# Altium PCB Smartfin Main PCBA.PcbDoc (part 1 of 2)
Units mm, origin at the board's own origin, x right, y up, seen from the top; angles counter-clockwise.
Board outline 85.75 x 70.5 mm, 4 copper layers (Top Layer, GND, Power, Bottom Layer), stack 0.678 mm thick; 125 components, 79 nets, 493 pads, 437 vias.
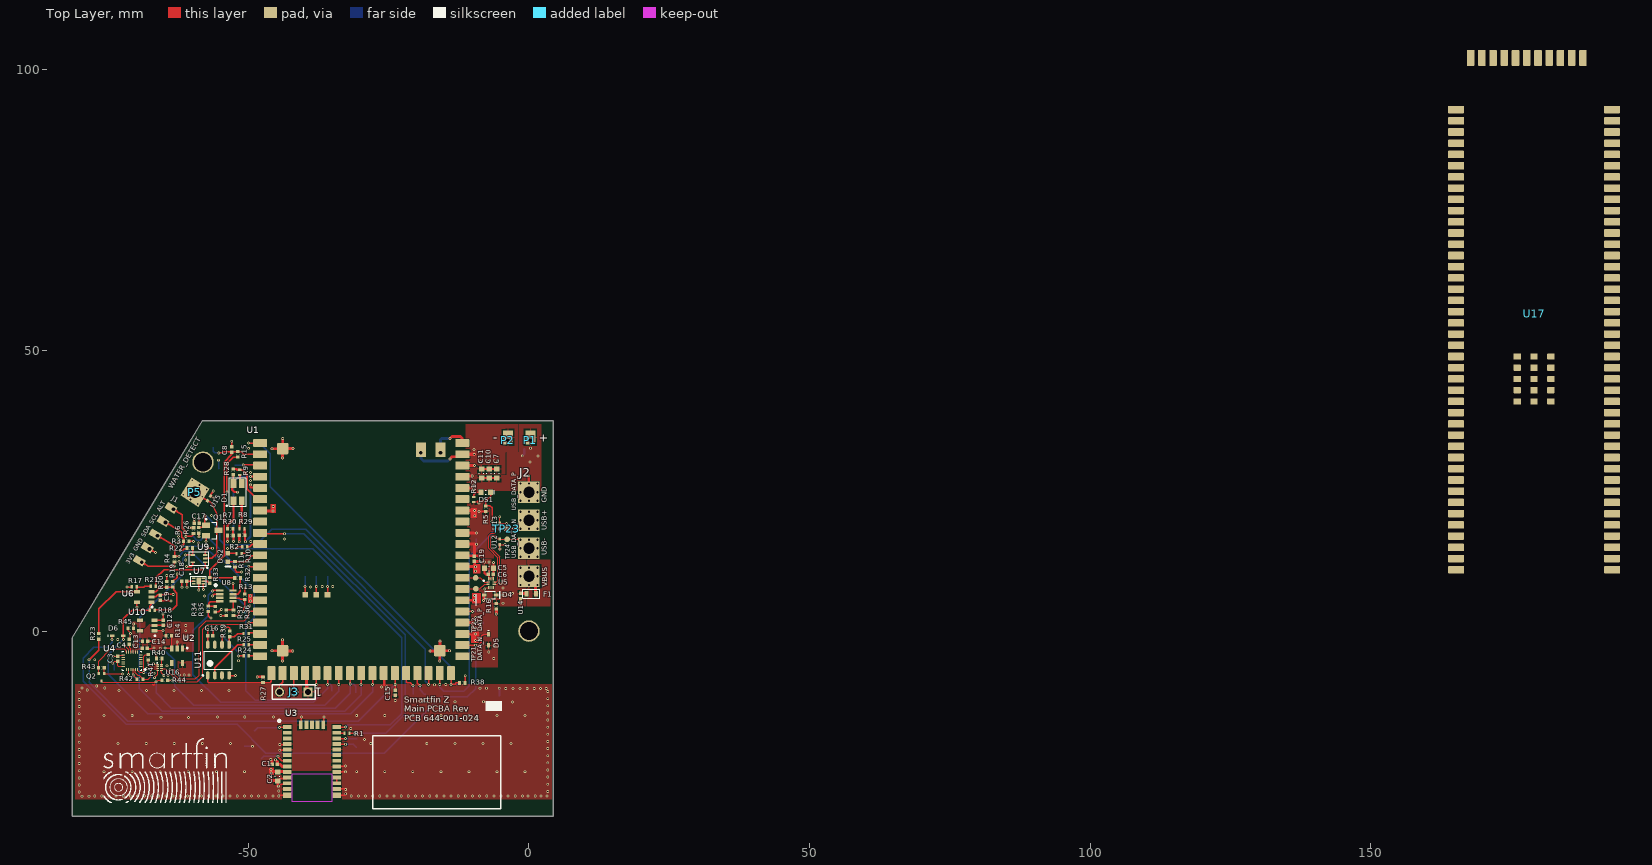
[diagram p0: Top Layer view]
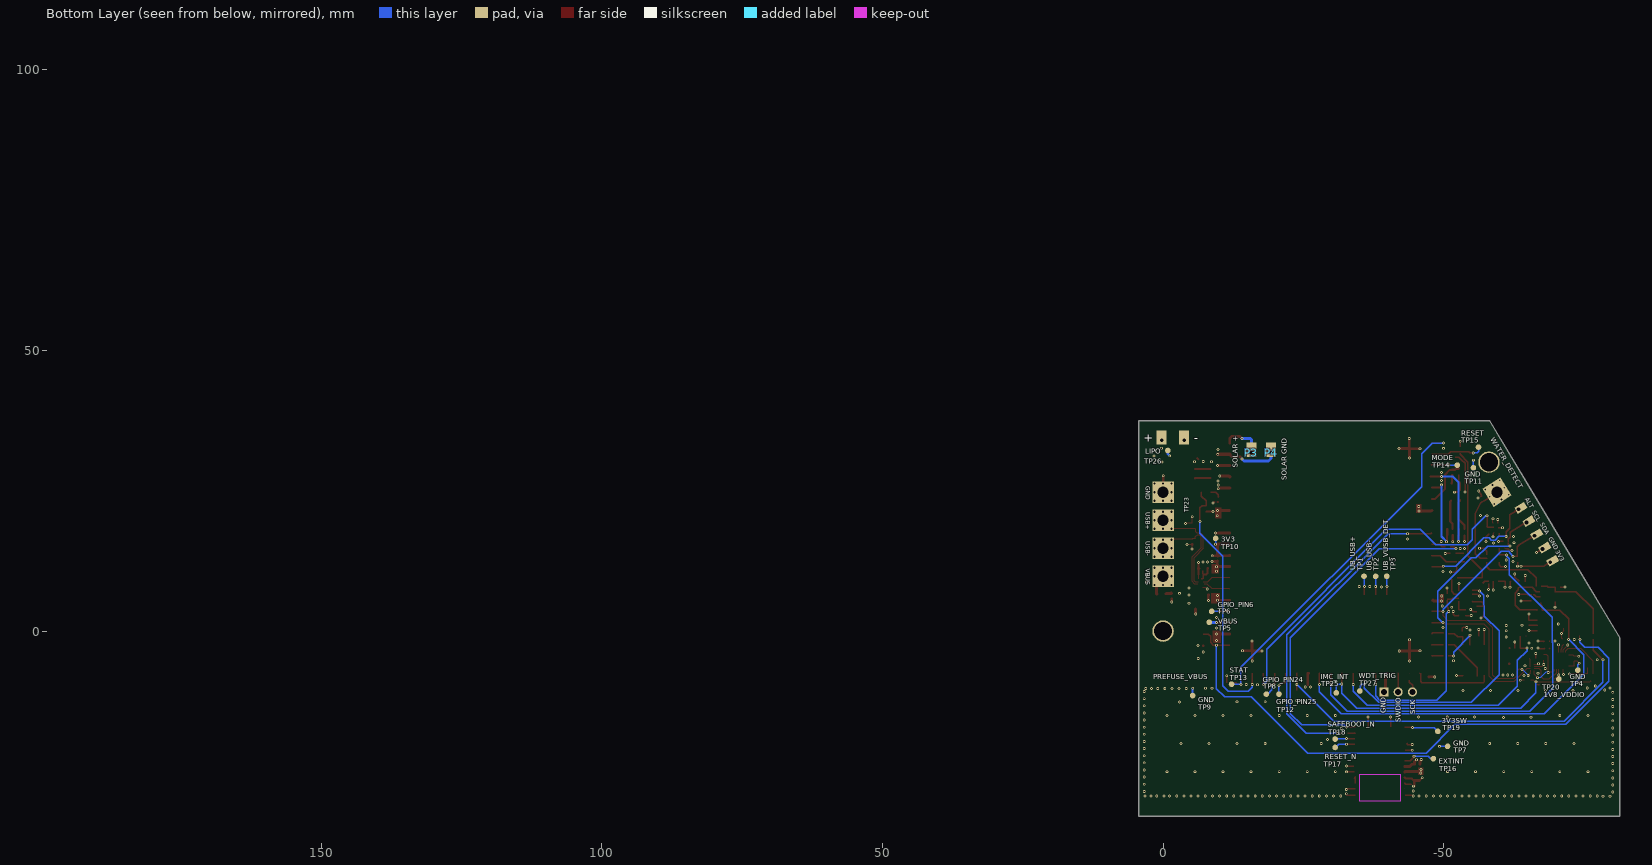
[diagram p1: Bottom Layer view, seen from below]
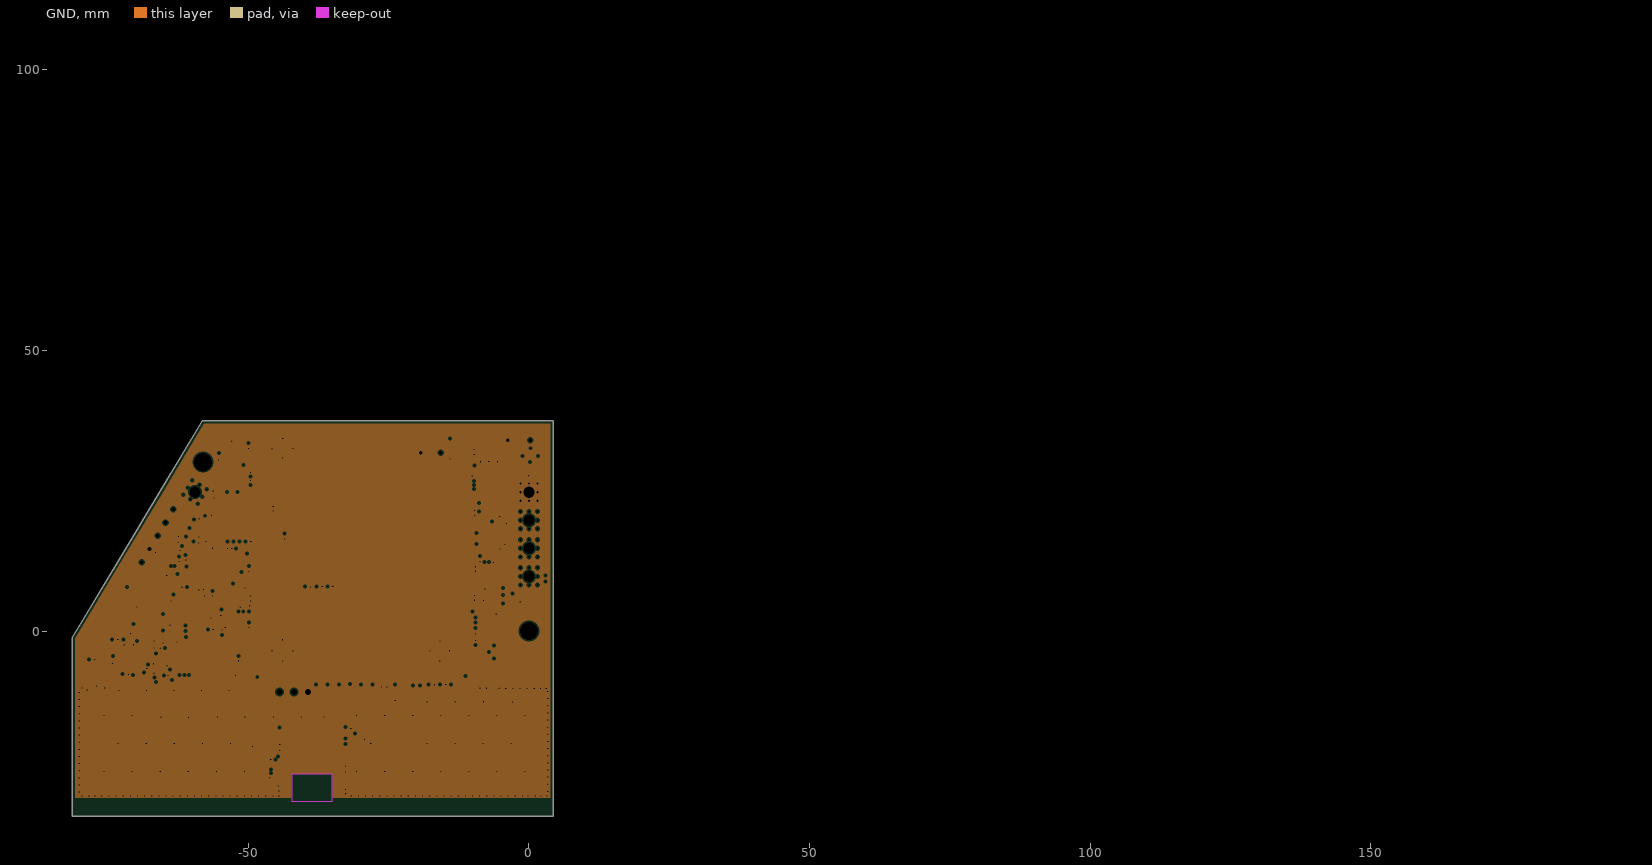
[diagram p2: GND, clearances drawn from the general rule]
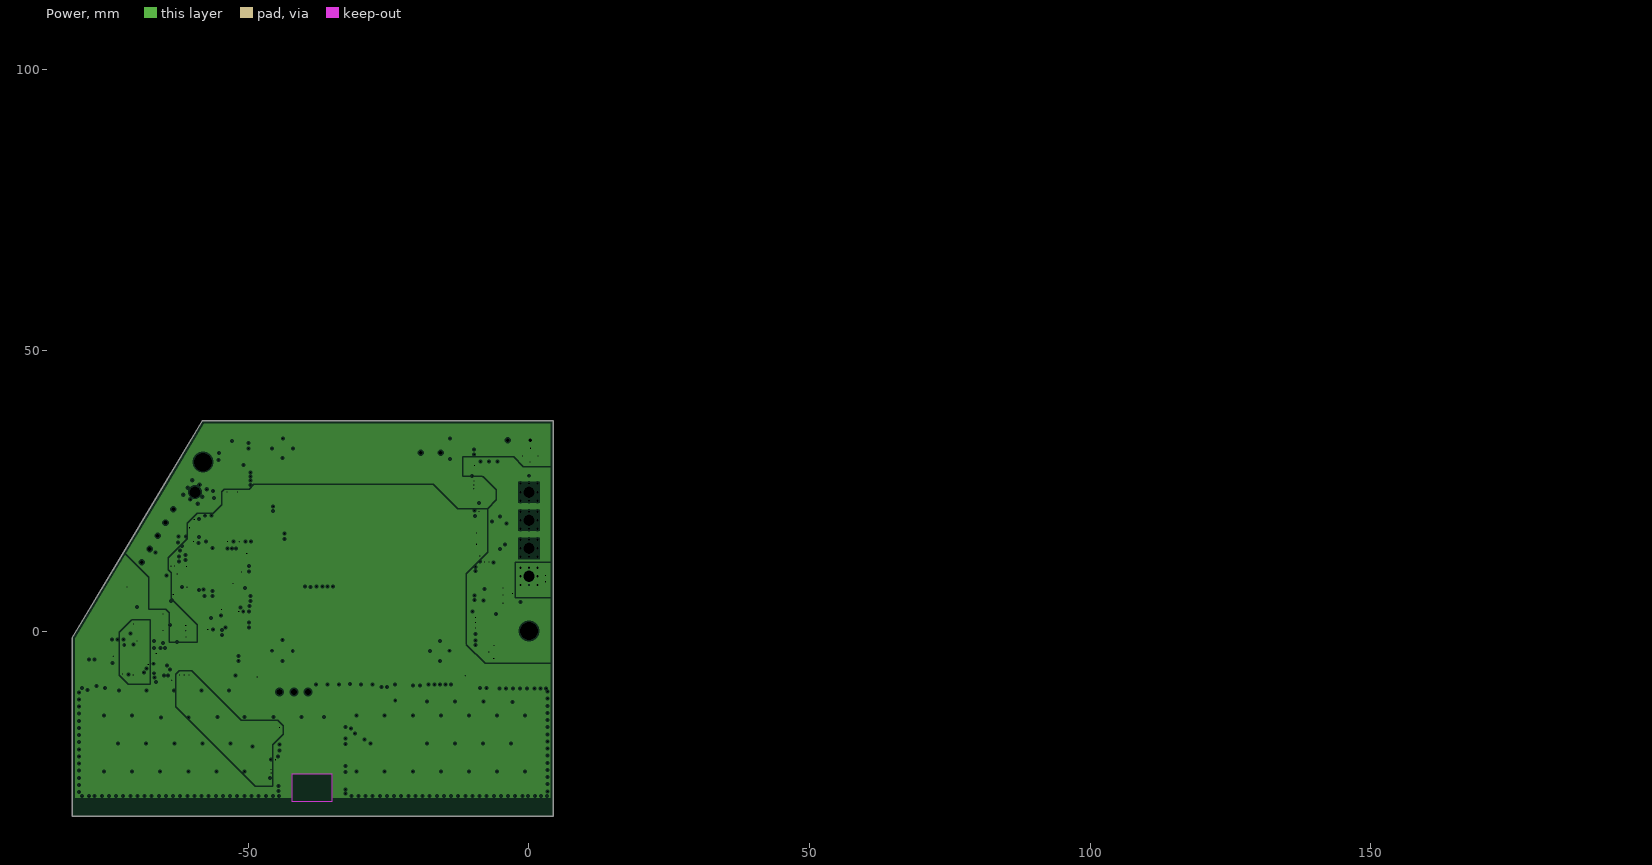
[diagram p3: Power, clearances drawn from the general rule]

## Layer stack, top to bottom
Top Solder: solder mask 0.024, Solder Resist, Dk 3.9
Top Layer: signal copper 0.0178
Dielectric1: prepreg 0.1539, PP-006, Dk 3.88
GND: plane copper 0.015, net GND
Dielectric 1: core 0.3048, Core-009, Dk 4.14
Power: plane copper 0.0152, net (Multiple Nets)
Dielectric2: prepreg 0.1539, PP-006, Dk 3.88
Bottom Layer: signal copper 0.0178
Bottom Solder: solder mask 0.0241, Solder Resist, Dk 3.9

## Board outline
-81.4,-32.999 -81.4,-1.249 -72.998,12.755 -65.667,24.974 -58.15,37.501 4.35,37.501 4.35,-32.999

## Design rules (kind name [scope] priority, off if disabled: settings)
AcuteAngle [All] p1: minimum=7.50000000000000E+0001 checktracksonly=TRUE
AssemblyTestPointUsage [All] p1 off:
AssemblyTestpoint [All] p1 off: testpointundercomponent=TRUE minsize=1.016 maxsize=2.54 preferedsize=1.524 minholesize=0 maxholesize=1.016 preferedholesize=0.813 testpointgrid=0.025 usegrid=TRUE gridtolerance=0 allowsidetop=TRUE allowsidebottom=TRUE
BoardOutlineClearance "BoardOutlineClearance Inner Layers" [All] p1 off: gap=0.381 ignorepadtopadclearanceinfootprint=FALSE
BoardOutlineClearance [All] p2: gap=0.254 ignorepadtopadclearanceinfootprint=FALSE
Clearance Clearance_J1 [InComponent('J1') vs InComponent('R4')] p1: gap=0 ignorepadtopadclearanceinfootprint=FALSE
Clearance Clearance_U16 [InComponent('U16')] p2: gap=0.14 ignorepadtopadclearanceinfootprint=FALSE
Clearance Clearance_Keepout_Exceptions [(InComponent('J2') OR InComponent('P5') OR InComponent('TP23') OR InComponent('TP11') OR InComponent('TP15')or InComponent('TP24') ) vs (IsArc OR OnLayer('Keep-Out Layer'))] p3: gap=0 ignorepadtopadclearanceinfootprint=FALSE
Clearance "Clearance Keepout" [All vs OnLayer('Keep-Out Layer')] p4: gap=0.6 ignorepadtopadclearanceinfootprint=FALSE
Clearance [All] p5: gap=0.152 ignorepadtopadclearanceinfootprint=FALSE except(0: Arc-Hole Track-Hole SMDPad-Hole THPad-Hole Via-Hole Fill-Hole Poly-Hole Region-Hole Text-Hole)
DiffPairsRouting [All] p1: maxlimit=0.203 minlimit=0.203 mostfreqgap=0.203 toplayer_minwidth=0.152 toplayer_maxwidth=0.381 toplayer_prefwidth=0.254 bottomlayer_minwidth=0.152 bottomlayer_maxwidth=0.381 bottomlayer_prefwidth=0.254 maxuncoupledlength=25
FabricationTestPointUsage [All] p1 off: valid=0 allowmultiple=FALSE
FabricationTestpoint [All] p1 off: side=3 testpointundercomponent=TRUE minsize=1.016 maxsize=2.54 preferedsize=1.524 minholesize=0 maxholesize=1.016 preferedholesize=0.813 testpointgrid=0.025 allowsidetop=TRUE allowsidebottom=TRUE usegrid=TRUE gridtolerance=0
HoleSize [All] p1: absolutevalues=TRUE maxlimit=3.556 minlimit=0.2 maxpercent=80.000 minpercent=20.000
HoleToHoleClearance [All] p1: gap=0.178 allowstackedmicrovias=TRUE
MinimumAnnularRing "VIA MinimumAnnularRing" [IsVia] p1: minimumring=0.1
MinimumAnnularRing "PTH MinimumAnnularRing" [All] p2: minimumring=0.127
MinimumSolderMaskSliver MinimumSolderMaskSliver_1 [(InComponent('U7') OR InComponent('U5') OR InComponent('U4')OR InComponent('U16'))] p1: minsoldermaskwidth=0.015
MinimumSolderMaskSliver [All] p2: minsoldermaskwidth=0.076
NetAntennae NetAntennae_1 [InComponent('J2')] p1: netantennaetolerance=25
NetAntennae [All] p2: netantennaetolerance=0
PlaneClearance [All] p1: clearance=0.254
PlaneConnect PlaneConnect_VIA [All] p1: planeconnectstyle=Direct reliefexpansion=0.508 reliefentries=4 reliefconductorwidth=0.254 reliefairgap=0.254
PlaneConnect [All] p2: planeconnectstyle=Relief reliefexpansion=0.508 reliefentries=4 reliefconductorwidth=0.254 reliefairgap=0.254
PolygonConnect PolygonConnect_VIA [IsVia] p1: connectstyle=Direct reliefconductorwidth=0.254 reliefentries=4 polygonreliefangle="90 Angle" airgapwidth=0.254
PolygonConnect "PolygonConnect Thermal" [All] p2: connectstyle=Relief reliefconductorwidth=0.254 reliefentries=4 polygonreliefangle="90 Angle" airgapwidth=0.254
PolygonConnect "PolygonConnect Direct" [All] p3: connectstyle=Direct reliefconductorwidth=0.254 reliefentries=4 polygonreliefangle="90 Angle" airgapwidth=0.203
RoutingVias [All] p1: holewidth=0.305 width=0.61 viastyle="Through Hole" minholewidth=0.152 minwidth=0.254 maxholewidth=0.711 maxwidth=1.27
SilkToSilkClearance [All] p1: silktosilkclearance=0.05
SilkToSolderMaskClearance SilkscreenOverComponentPads [IsPad] p1: minsilkscreentomaskgap=0.076 clearancetoexposedcopper=TRUE
SolderMaskExpansion [All] p1: expansion=0.076 istentingtop=FALSE
Width [All] p1: maxlimit=2.54 minlimit=0.127 preferedwidth=0.203
17 further rules are at their usual default settings.

## Classes and differential pairs
component class "U_Wet Dry Sensor": C9 P5 Q1 R17 R18 R19 R20 R21 R22 R26 U6 U9 U15
component class U_USB: D4 F1 J2 R16 TP21 TP22 TP23 TP24 U5 U12 U13 U14
component class "U_Temp - Button": C17 J1 R6
component class U_Motion: C3 C4 C12 C13 C14 Q2 R3 R4 R40 R41 R42 R43 R44 R45 TP20 U4 U10 U16
component class U_GPS: C1 C2 R1 R2 TP16 TP17 TP18 TP19 U3
component class U_Control: C5 C6 C7 C8 C10 C11 C15 C16 C18 C19 D1 D5 D6 DS1 DS2 J3 P1 P2 P3 P4 R5 R7 R8 R9 R10 R11 R12 R13 R14 R15 R23 R24 R25 R27 R28 R29 R30 R31 R32 R33 R34 R35 R36 R37 R38 R39 TP1 TP2 TP3 TP4 TP5 TP6 TP7 TP8 TP9 TP10 TP11 TP12 TP13 TP14 TP15 TP25 TP26 TP27 U1 U2 U7 U8 U11
component class "Smartfin Main PCBA_TOC": BarePCB
differential pair USB_DATA: +USB_DATA_P -USB_DATA_N
differential pair DATA: +DATA_P -DATA_N

## Components (designator, comment, footprint, x,y, rotation, side; value= is the part's Value field where it differs from the comment)
C1 "1.0µF" CAPC0402(1005)60_N -45.281,-23.729 r0 top
C2 "" CAPC0603(1608)100_N -44.755,-25.881 r90 top
C3 "1.0µF" CAPC0402(1005)60_N -73.272,-4.933 r270 top
C4 "1.0µF" CAPC0402(1005)60_N -71.238,-1.929 r270 top
C5 "" CAPC0603(1608)100_N -7.125,11.175 r180 top
C6 "1.0µF" CAPC0402(1005)60_N -6.775,10.1 r180 top
C7 "" CAPC0603(1608)100_N -5.729,28.049 r270 top
C8 "1.0µF" CAPC0402(1005)60_N -52.936,32.355 r270 top
C9 "1.0µF" CAPC0402(1005)60_N -65.695,5.961 r90 top
C10 "" CAPC0603(1608)100_N -7.082,28.049 r270 top
C11 "" CAPC0603(1608)100_N -8.429,28.049 r270 top
C12 "1.0µF" CAPC0402(1005)60_N -65.175,1.49 r90 top
C13 "1.0µF" CAPC0402(1005)60_N -68.425,-3.085 r180 top
C14 "1.0µF" CAPC0402(1005)60_N -68.4,-1.785 r180 top
C15 "1.0µF" CAPC0402(1005)60_N -23.818,-10.978 r90 top
C16 "1.0µF" CAPC0402(1005)60_N -56.75,-0.857 r180 top
C17 "1.0µF" CAPC0402(1005)60_N -59.201,19.251 r180 top
C18 "1.0µF" CAPC0402(1005)60_N -61.41,8.91 r0 top
C19 "1.0µF" CAPC0402(1005)60_N -9.721,12.924 r90 top
D1 "QBLP677AD-RGB2" QBLP677AD-RGB2-Footprint-1 -51.898,24.748 r0 top locked
D4 "DDZ5V6ASF-7" SOD323F -6.9,6.425 r180 top
D5 "BAT43XV2" SOD-523F -7.2,-1.56 r90 top
D6 "BAT43XV2" SOD-523F -73.243,-0.848 r180 top
DS1 "APT1608MGC" LED1608X08N -7.682,24.751 r0 top locked
DS2 "LTST-C193KRKT-5A" LTST-C193KRKT-5A_V -53.631,13.136 r270 top
F1 "MF-FSML 125/8-2" MF-FSMF010X-2-Footprint-1 0.4,6.65 r180 top
J1 "Main Board Temp Sensor Contacts" "Main Temp Sensor Connection -Footprint-1" -66.17,16.98 r329 top
J2 "Charger-Header" "New footprint 1" 0,24.751 r0 top locked
J3 "PREC003SAAN-RC" HDR_Single_100mil_3D_3 -39.35,-10.85 r180 top
P1 "Bat+" "Battery Pad-Footprint-1"#1 0.25,34.001 r270 top
P2 "Bat-" "Battery Pad-Footprint-1"#1 -3.749,34 r270 top
P3 "Solar+" "Battery Pad-Footprint-1"#2 -15.75,31.79 r315 bottom
P4 "Solar-" "Battery Pad-Footprint-1"#2 -19.25,31.79 r315 bottom
P5 "Water Detect Pad" "Water Detect Pad-Footprint-1" -59.508,24.77 r0 top locked
Q1 "BSS138" SOT95P251X112-3N -56.408,17.933 r0 top
Q2 "DMN26D0UT-7" DMN26D0UT-7-Footprint-1 -76.16,-8.224 r270 top
R1 "330" RESC1005X04N -32.4,-18.235 r180 top
R2 "330" RESC1005X04N -50.641,15.032 r180 top
R3 "=''('')" RESC0402(1005)_N -61.056,15.985 r0 top
R4 "=''('')" RESC0402(1005)_N -63.158,12.803 r270 top
R5 "=''('')" RESC0402(1005)_N -7.719,21.816 r270 top
R6 "=''('')" RESC0402(1005)_N -59.759,17.903 r90 top
R7 "220" RESC0402(1005)_N -53.22,18.235 r180 top
R8 "280" RESC1005X04N -51.107,18.21 r180 top
R9 "300" RESC1005X04N -51.525,28.275 r270 top
R10 "330" RESC1005X04N -51.63,13.797 r0 top
R11 "=''('')" RESC0402(1005)_N -52.383,11.932 r270 top
R12 "120" RESC1005X04N -9.804,23.448 r270 top
R13 "=''('')" RESC0402(1005)_N -50.615,6.116 r270 top
R14 "=''('')" RESC0402(1005)_N -64.182,-0.857 r0 top
R15 "=''('')" RESC0402(1005)_N -51.876,31.493 r270 top
R16 "=''('')" RESC0402(1005)_N -5.8,4.425 r90 top
R17 "100K" RESC1005X04N -70.338,7.89 r180 top
R18 "100K" RESC1005X04N -67.125,3.729 r0 top
R19 "=''('')" RESC0402(1005)_N -63.438,8.339 r90 top
R20 "=''('')" RESC0402(1005)_N -64.538,8.314 r270 top
R21 "330" RESC1005X04N -66.932,8.001 r180 top
R22 "=''('')" RESC0402(1005)_N -60.415,14.79 r0 top
R23 "0" RESC0402(1005)_N -76.66,-0.96 r90 top
R24 "33" RESC1005X04N -50.356,-4.418 r180 top
R25 "33" RESC1005X04N -50.356,-2.462 r180 top
R26 "=''('')" RESC0402(1005)_N -58.819,17.933 r90 top
R27 "=''('')" RESC0402(1005)_N -47.389,-8.666 r90 top
R28 "=''('')" RESC0402(1005)_N -52.7,28.355 r270 top
R29 "=''('')" RESC0402(1005)_N -51.107,17.067 r180 top
R30 "=''('')" RESC0402(1005)_N -53.183,17.042 r180 top
R31 "33" RESC1005X04N -50.387,-0.437 r180 top
R32 "0" RESC0402(1005)_N -51.911,9.469 r180 top
R33 "0" RESC0402(1005)_N -56.9,9.015 r90 top
R34 "=''('')" RESC0402(1005)_N -57.138,3.956 r90 top
R35 "=''('')" RESC0402(1005)_N -55.873,3.907 r270 top
R36 "=''('')" RESC0402(1005)_N -52.65,3.29 r270 top
R37 "=''('')" RESC0402(1005)_N -53.9,3.29 r90 top
R38 "=''('')" RESC0402(1005)_N -11.855,-9.251 r0 top
R39 "1M" RESC0402(1005)_N -53.308,-0.513 r270 top
R40 "200K" RESC0402(1005)_N -65.869,-4.88 r180 top
R41 "=''('')" RESC0402(1005)_N -67.838,-4.68 r270 top
R42 "=''('')" RESC0402(1005)_N -69.298,-8.556 r180 top
R43 "=''('')" RESC0402(1005)_N -76.16,-6.518 r0 top
R44 "=''('')" RESC0402(1005)_N -64.848,-8.776 r0 top
R45 "200K" RESC0402(1005)_N -70.924,0.525 r0 top
TP1 "Test Point" TESTPAD_ICT#1 -35.8,9.765 r90 bottom
TP2 "Test Point" TESTPAD_ICT#1 -37.875,9.74 r90 bottom
TP3 "Test Point" TESTPAD_ICT#1 -39.85,9.765 r90 bottom
TP4 "Test Point" TESTPAD_ICT#1 -73.9,-6.968 r90 bottom
TP5 "Test Point" TESTPAD_ICT#1 -8.223,1.57 r90 bottom
TP6 "Test Point" TESTPAD_ICT#1 -8.65,3.515 r90 bottom
TP7 "Test Point" TESTPAD_ICT#1 -50.7,-20.535 r90 bottom
TP8 "Test Point" TESTPAD_ICT#1 -18.4,-11.235 r90 bottom
TP9 "Test Point" TESTPAD_ICT#2 -5.265,-10.652 r90 bottom
TP10 "Test Point" TESTPAD_ICT#1 -9.366,16.505 r90 bottom
TP11 "Test Point" TESTPAD_ICT#1 -55.3,29.1 r90 bottom
TP12 "Test Point" TESTPAD_ICT#1 -20.65,-11.235 r90 bottom
TP13 "Test Point" TESTPAD_ICT#1 -12.2,-9.46 r90 bottom
TP14 "Test Point" TESTPAD_ICT#1 -52.42,29.56 r90 bottom
TP15 "Test Point" TESTPAD_ICT#1 -56.203,32.761 r90 bottom
TP16 "Test Point" TESTPAD_ICT#1 -48.15,-22.735 r90 bottom
TP17 "Test Point" TESTPAD_ICT#1 -30.65,-20.735 r90 bottom
TP18 "Test Point" TESTPAD_ICT#1 -30.65,-19.235 r90 bottom
TP19 "Test Point" TESTPAD_ICT#1 -48.95,-17.86 r90 bottom
TP20 "Test Point" TESTPAD_ICT#1 -70.51,-8.556 r90 bottom
TP21 "Test Point" TESTPAD_ICT#3 -9.463,7.54 r90 bottom
TP22 "Test Point" TESTPAD_ICT#1 -9.5,9.49 r90 top
TP23 "Test Point" TESTPAD_ICT#1 -3.998,18.225 r90 top
TP24 "Test Point" TESTPAD_ICT#4 0.8,7 r90 top
TP25 "Test Point" TESTPAD_ICT#5 -30.854,-10.394 r90 bottom
TP26 "Test Point" TESTPAD_ICT#1 -0.865,32.177 r90 bottom
TP27 "Test Point" TESTPAD_ICT#1 -35.075,-10.675 r90 bottom
U1 "Particle E-Series 2G/3G" "Particle E-Series-Footprint-1" -11.88,35.504 r180 top
U2 "TLV73333PDBVR" TLV73333PDBVR-Footprint-1 -62.675,-4.418 r90 top
U3 "CAM-M8Q-0" CAM-M8Q-0-Footprint-1 -38.65,-22.985 r0 top
U4 "ICM-20948" ICM-20948-Footprint-1 -70.721,-5.291 r0 top
U5 "FSUSB42UMX" FSUSB42UMX-Footprint-1 -6.75,8.55 r0 top
U6 "LMC7215IM5X/NOPB" LMC7215IM5X_NOPB-Footprint-1 -68.525,6.075 r90 top
U7 "MLX90248ELD-EBA-000-RE" MLX90248ELD-EBA-000-RE-Footprint-1 -58.845,8.908 r270 top
U8 "MAX6373KA+T" MAX6373KA+T-Footprint-1 -53.9,6.265 r0 top
U9 "TS5A4595DCKR" TS5A4595DCKR-Footprint-1 -58.782,12.915 r270 top
U10 "LP5907MFX-1.8/NOPB" SOT95P280X145-5N -68.025,0.99 r180 top
U11 "MX25R3235FM1IH0" SOP127P600X175-8N -55.325,-5.157 r90 top
U12 "TPD1E1B04DPYR" TPD1E10B06DPYT-Footprint-1 -5.197,15.903 r90 top
U13 "TPD1E1B04DPYR" TPD1E10B06DPYT-Footprint-1 -5.182,18.725 r90 top
U14 "TPD1E10B06DPYT" TPD1E10B06DPYT-Footprint-1 -1.523,6.229 r270 top
U15 "TPD1E1B04DPYR" TPD1E10B06DPYT-Footprint-1 -57,23.644 r60 top
U16 "PCA9306DQER" QFN35P100X140X40-8L -65.801,-6.519 r0 top
U17 "" TRACKER-SOM-3A 165.089,102.221 r0 top (schematic designator U1)

## Footprints (in the part's own frame and the unit in brackets; to place one, negate y for a bottom-side part, rotate by r counter-clockwise, add the part's x,y. Pads: shape width x height; smd on the part's side, far side on the other; paste and mask are expansions set on the pad)
"Battery Pad-Footprint-1"#1 [mm]
  rect 2.532x1.77 hole 0.66 copper offset -0.5,0: 1(0,0)
"Battery Pad-Footprint-1"#2 [mm]
  rect 2.532x1.77 hole 0.66 copper offset -0.354,-0.354 rot 45: 1(0,0)
CAM-M8Q-0-Footprint-1 [mm]
  rect 1.5x0.7 smd: 1(-4.4,5.875) 2(-4.4,4.875) 3(-4.4,3.875) 4(-4.4,2.875) 5(-4.4,1.875) 6(-4.4,0.875) 7(-4.4,-0.125) 8(-4.4,-1.125) 9(-4.4,-2.125) 10(-4.4,-3.125) 11(-4.4,-4.125) 12(-4.4,-5.125) 15(4.4,-5.125) 16(4.4,-4.125) 17(4.4,-3.125) 18(4.4,-2.125) 19(4.4,-1.125) 20(4.4,-0.125) 21(4.4,0.875) 22(4.4,1.875) 23(4.4,2.875) 24(4.4,3.875) 25(4.4,4.875) 26(4.4,5.875)
  rect 1.5x1 smd: 13(-4.4,-6.275) 14(4.4,-6.275)
  rect 0.7x1.5 smd: 27(2,6.275) 28(1,6.275) 29(0,6.275) 30(-1,6.275) 31(-2,6.275)
  Keep-Out Layer region: -3.6,-7.325 3.6,-7.325 3.6,-2.525 -3.6,-2.525
  silkscreen extent -5.97,6.87 -5.71,7.13, body extent -4.8,-7.4 4.8,6.6, height 2.01
CAPC0402(1005)60_N [mm] "Chip Capacitor, Body 1.0x0.5mm, Height 0.6mm, IPC Medium Density"
  rect 0.62x0.62 smd: 1(-0.45,0) 2(0.45,0)
  body extent -0.55,-0.3 0.55,0.3, height 0.6
CAPC0603(1608)100_N [mm] "Chip Capacitor, Body 1.6x0.8mm, Height 1.0mm, IPC Medium Density"
  rect 0.9x1 smd: 1(-0.8,0) 2(0.8,0)
  silkscreen extent -0.05,-0.4 0.05,0.4, body extent -0.87,-0.48 0.88,0.47, height 1
DMN26D0UT-7-Footprint-1 [mm]
  rect 0.51x0.4 smd: D(0.645,0) G(-0.645,0.5) S(-0.645,-0.5)
  body extent -0.43,-0.85 0.42,0.85, height 0.8
FSUSB42UMX-Footprint-1 [mm]
  rect 0.663x0.225 smd: 1(-0.519,0.2)
  rect 0.563x0.225 smd: 2(-0.569,-0.2) 6(0.569,-0.2) 7(0.569,0.2)
  rect 0.225x0.563 smd: 3(-0.4,-0.768) 4(0,-0.768) 5(0.4,-0.768) 8(0.4,0.768) 9(0,0.768) 10(-0.4,0.768)
  silkscreen extent -1.4,0.3 -1.2,0.5, body extent -0.7,-0.9 0.7,0.9, height 0.5
HDR_Single_100mil_3D_3 [mil] "Header, Single Row, 100mil, 3D, 3 pins"
  rect 64x64 hole 43: 1(0,0)
  round 64 hole 43: 2(100,0) 3(200,0)
  silkscreen extent -50,-50 250,50, body extent -50,-50 250,50, height 450
ICM-20948-Footprint-1 [mm]
  oval 0.6x0.2 smd: 1(1.55,-1) 2(1.55,-0.6) 3(1.55,-0.2) 4(1.55,0.2) 5(1.55,0.6) 6(1.55,1) 13(-1.55,1) 14(-1.55,0.6) 15(-1.55,0.2) 16(-1.55,-0.2) 17(-1.55,-0.6) 18(-1.55,-1)
  oval 0.2x0.6 smd: 7(1,1.55) 8(0.6,1.55) 9(0.2,1.55) 10(-0.2,1.55) 11(-0.6,1.55) 12(-1,1.55) 19(-1,-1.55) 20(-0.6,-1.55) 21(-0.2,-1.55) 22(0.2,-1.55) 23(0.6,-1.55) 24(1,-1.55)
  silkscreen extent -1.7,-1.7 2.48,1.7, body extent -1.55,-1.55 1.55,1.55, height 1.05
LED1608X08N [mm] "Chip LED, 2-Leads, Body 1.60x0.80mm, IPC Medium Density"
  rect 0.9x0.95 smd: A(-0.85,0) K(0.85,0)
  silkscreen extent -0.1,-0.38 1.52,0.38, body extent -0.82,-0.36 0.83,0.36, height 0.68
LMC7215IM5X_NOPB-Footprint-1 [mm]
  rrect17% 0.6x1.1 smd: 1(-0.95,-1.3) 2(0,-1.3) 3(0.95,-1.3) 4(0.95,1.3) 5(-0.95,1.3)
  silkscreen extent -1.92,-1.5 -1.68,-1.25, body extent -1.46,-1.42 1.46,1.42, height 1.08
LTST-C193KRKT-5A_V [mm] "SMD, 2-Leads, Body 1.6x0.8mm"
  rect 0.8x0.8 smd: 1(-0.75,0) 2(0.75,0)
  silkscreen extent 1.65,-0.4 1.65,0.4, body extent -0.8,-0.4 0.8,0.4, height 0.45
"Main Temp Sensor Connection -Footprint-1" [mm]
  rect 2.032x1.27 hole 0.66 copper offset -0.5,0: 1(0,5.5) 2(0,2.75) 3(0,0) 4(0,-2.75) 5(0,-5.5)
MAX6373KA+T-Footprint-1 [mm]
  rect 1.3x0.42 smd: 1(-1.175,0.975) 2(-1.175,0.325) 3(-1.175,-0.325) 4(-1.175,-0.975) 5(1.175,-0.975) 6(1.175,-0.325) 7(1.175,0.325) 8(1.175,0.975)
  silkscreen extent -2.08,1.73 -1.73,2.08, body extent -0.89,-1.52 0.89,1.52, height 1.25